# Altium PCB CONTROLLER_BASE.PcbDoc (part 2 of 7)
Units mm, origin at the board's own origin, x right, y up, seen from the top; angles counter-clockwise.
Board outline 258 x 160 mm, 4 copper layers (Top Layer, Internal Plane 1, Internal Plane 2, Bottom Layer); 818 components, 410 nets, 2314 pads, 511 vias.
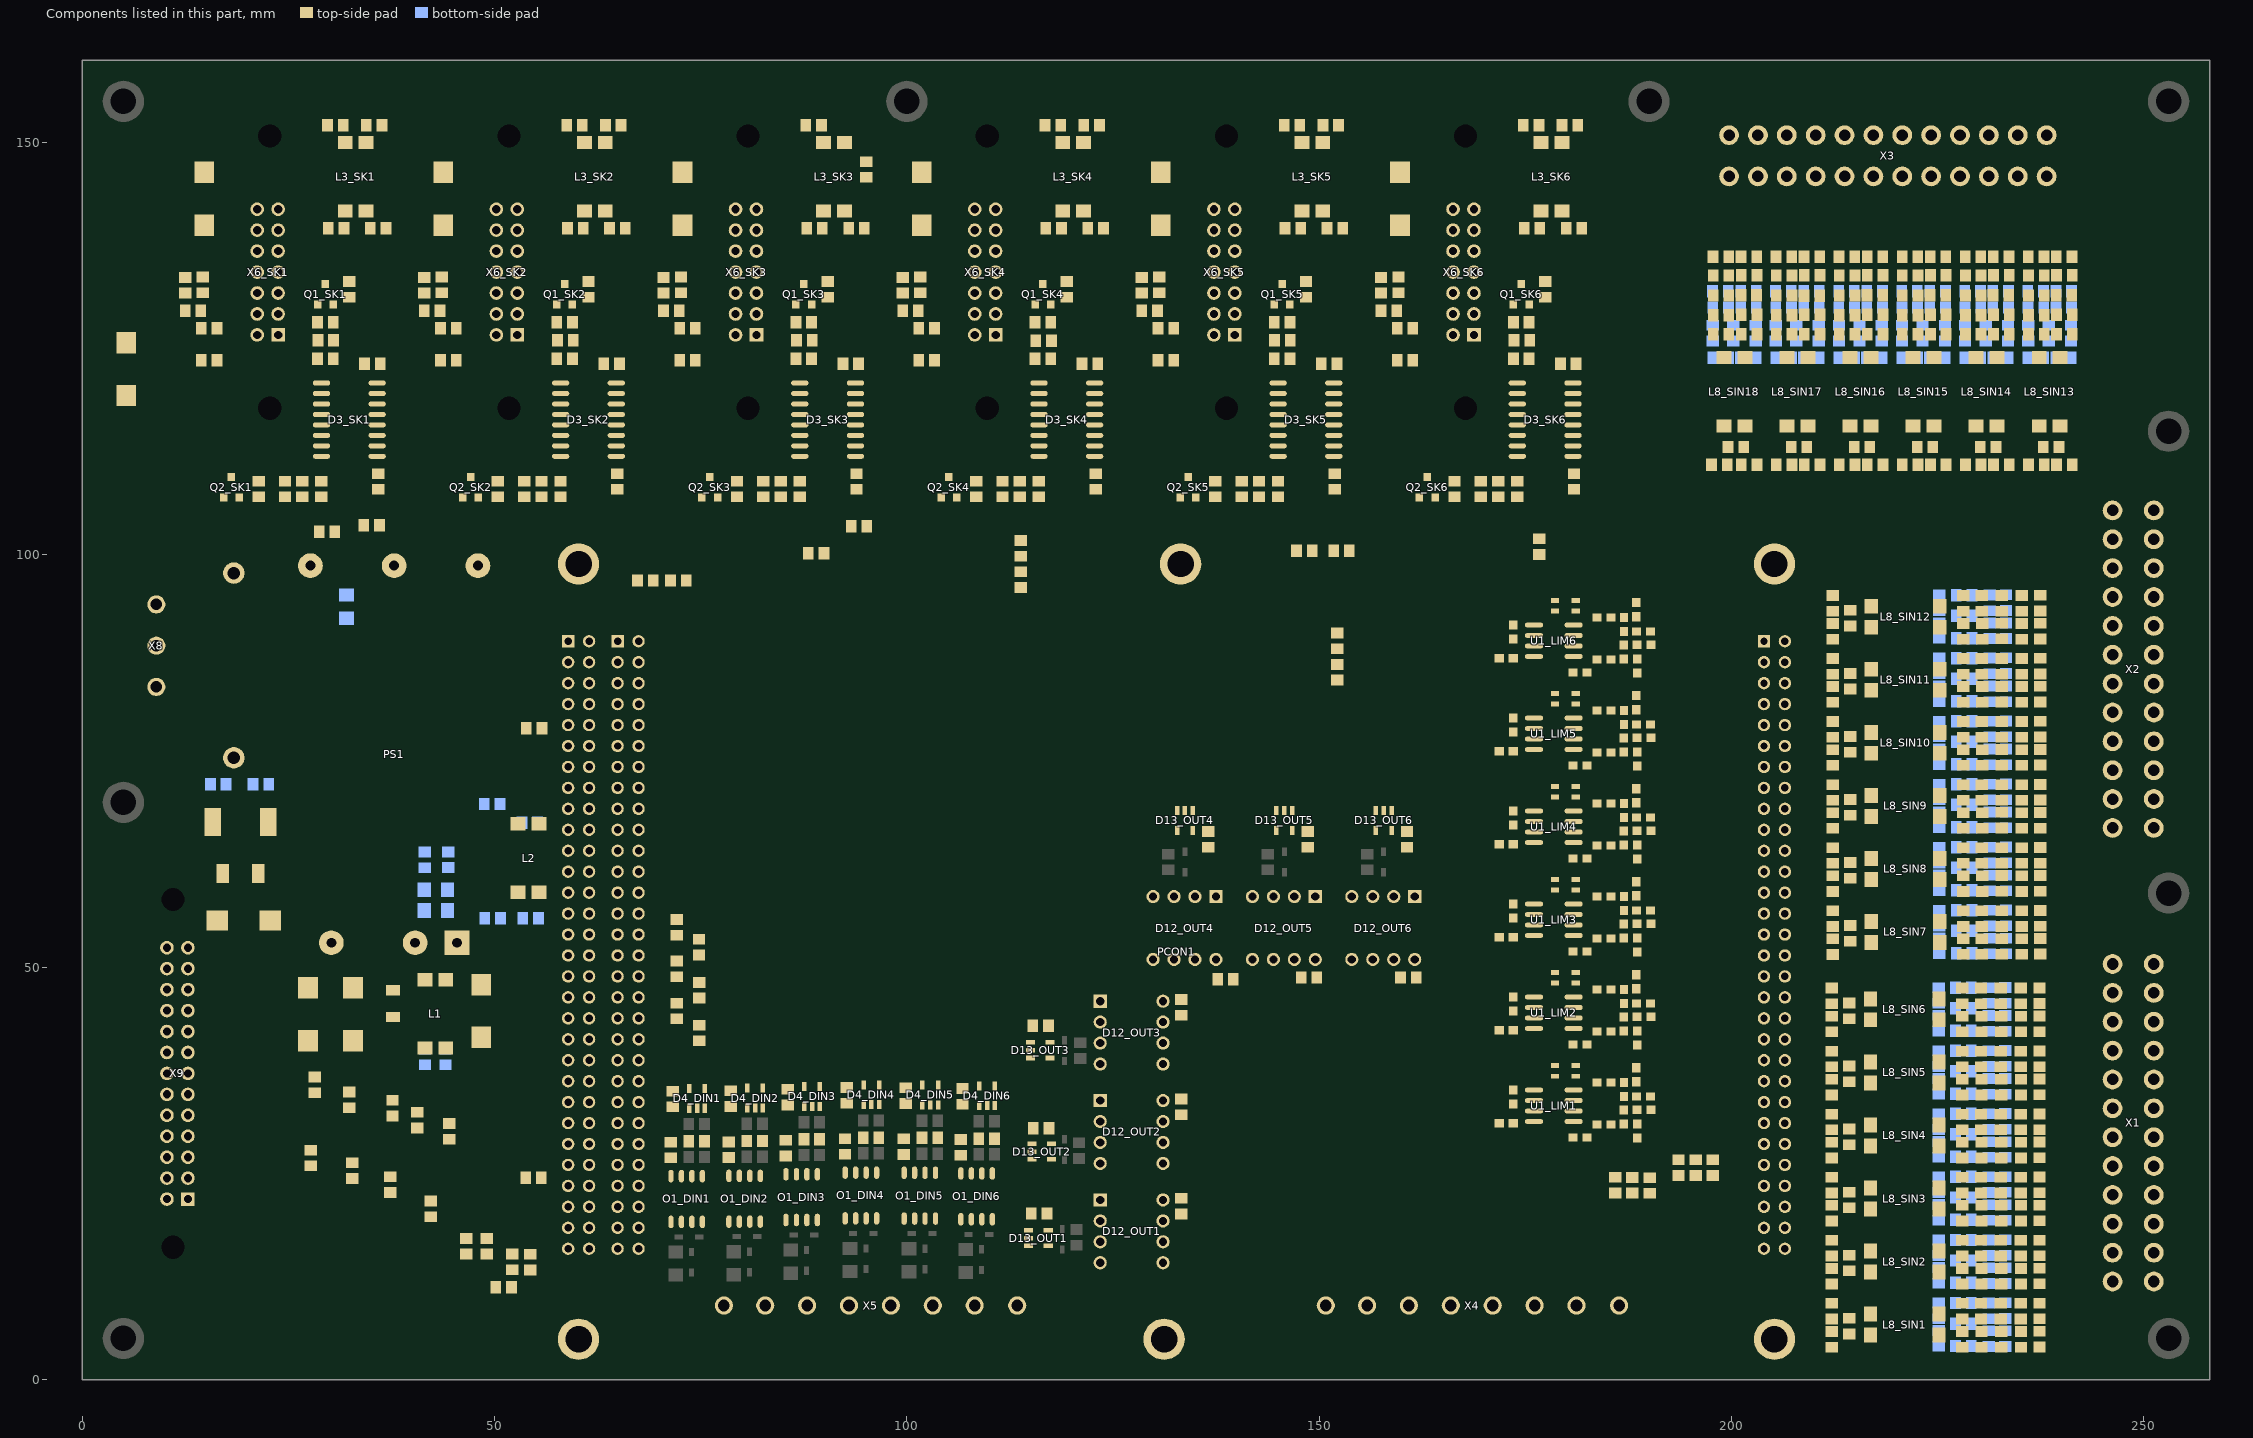
[diagram p4: the components of this part, seen from the top]

## Classes and differential pairs (continued)
component class CB103060Main: C1 C2 C3 C4 C5 C6 C7 C8 C9 C10 C11 C12 C13 C14 C15 C16 C17 C18 C50 C51 D1 D2 F1 FH1 L1 L2 PCON1 PS1 R1 R2 R3 R4 R5 R6 R7 R8 R9 R10 R11 R12 R13 R14 R15 R16 R17 R18 R19 R20 R21 R22 R23 R24 R25 R26 R27 R28 R29 R30 R31 R59 R60 R61 R62 R63 R64 R65 R66 X1 X2 X3 X4 X5 X8 X9
component class SIN18: C31_SIN18 C32_SIN18 C33_SIN18 C34_SIN18 C35_SIN18 C36_SIN18 C37_SIN18 C38_SIN18 C45_SIN18 C46_SIN18 L4_SIN18 L5_SIN18 L6_SIN18 L7_SIN18 L8_SIN18 R40_SIN18 R41_SIN18 R42_SIN18 R43_SIN18 R44_SIN18 R45_SIN18 R46_SIN18 R47_SIN18
component class SIN17: C31_SIN17 C32_SIN17 C33_SIN17 C34_SIN17 C35_SIN17 C36_SIN17 C37_SIN17 C38_SIN17 C45_SIN17 C46_SIN17 L4_SIN17 L5_SIN17 L6_SIN17 L7_SIN17 L8_SIN17 R40_SIN17 R41_SIN17 R42_SIN17 R43_SIN17 R44_SIN17 R45_SIN17 R46_SIN17 R47_SIN17
channel class CurrentInput: SIN1 SIN2 SIN3 SIN4 SIN5 SIN6 SIN7 SIN8 SIN9 SIN10 SIN11 SIN12 SIN13 SIN14 SIN15 SIN16 SIN17 SIN18
component class SIN16: C31_SIN16 C32_SIN16 C33_SIN16 C34_SIN16 C35_SIN16 C36_SIN16 C37_SIN16 C38_SIN16 C45_SIN16 C46_SIN16 L4_SIN16 L5_SIN16 L6_SIN16 L7_SIN16 L8_SIN16 R40_SIN16 R41_SIN16 R42_SIN16 R43_SIN16 R44_SIN16 R45_SIN16 R46_SIN16 R47_SIN16
component class SIN15: C31_SIN15 C32_SIN15 C33_SIN15 C34_SIN15 C35_SIN15 C36_SIN15 C37_SIN15 C38_SIN15 C45_SIN15 C46_SIN15 L4_SIN15 L5_SIN15 L6_SIN15 L7_SIN15 L8_SIN15 R40_SIN15 R41_SIN15 R42_SIN15 R43_SIN15 R44_SIN15 R45_SIN15 R46_SIN15 R47_SIN15
component class SIN14: C31_SIN14 C32_SIN14 C33_SIN14 C34_SIN14 C35_SIN14 C36_SIN14 C37_SIN14 C38_SIN14 C45_SIN14 C46_SIN14 L4_SIN14 L5_SIN14 L6_SIN14 L7_SIN14 L8_SIN14 R40_SIN14 R41_SIN14 R42_SIN14 R43_SIN14 R44_SIN14 R45_SIN14 R46_SIN14 R47_SIN14
component class SIN13: C31_SIN13 C32_SIN13 C33_SIN13 C34_SIN13 C35_SIN13 C36_SIN13 C37_SIN13 C38_SIN13 C45_SIN13 C46_SIN13 L4_SIN13 L5_SIN13 L6_SIN13 L7_SIN13 L8_SIN13 R40_SIN13 R41_SIN13 R42_SIN13 R43_SIN13 R44_SIN13 R45_SIN13 R46_SIN13 R47_SIN13
component class SIN12: C31_SIN12 C32_SIN12 C33_SIN12 C34_SIN12 C35_SIN12 C36_SIN12 C37_SIN12 C38_SIN12 C45_SIN12 C46_SIN12 L4_SIN12 L5_SIN12 L6_SIN12 L7_SIN12 L8_SIN12 R40_SIN12 R41_SIN12 R42_SIN12 R43_SIN12 R44_SIN12 R45_SIN12 R46_SIN12 R47_SIN12
component class SIN11: C31_SIN11 C32_SIN11 C33_SIN11 C34_SIN11 C35_SIN11 C36_SIN11 C37_SIN11 C38_SIN11 C45_SIN11 C46_SIN11 L4_SIN11 L5_SIN11 L6_SIN11 L7_SIN11 L8_SIN11 R40_SIN11 R41_SIN11 R42_SIN11 R43_SIN11 R44_SIN11 R45_SIN11 R46_SIN11 R47_SIN11
component class SIN10: C31_SIN10 C32_SIN10 C33_SIN10 C34_SIN10 C35_SIN10 C36_SIN10 C37_SIN10 C38_SIN10 C45_SIN10 C46_SIN10 L4_SIN10 L5_SIN10 L6_SIN10 L7_SIN10 L8_SIN10 R40_SIN10 R41_SIN10 R42_SIN10 R43_SIN10 R44_SIN10 R45_SIN10 R46_SIN10 R47_SIN10
component class SIN9: C31_SIN9 C32_SIN9 C33_SIN9 C34_SIN9 C35_SIN9 C36_SIN9 C37_SIN9 C38_SIN9 C45_SIN9 C46_SIN9 L4_SIN9 L5_SIN9 L6_SIN9 L7_SIN9 L8_SIN9 R40_SIN9 R41_SIN9 R42_SIN9 R43_SIN9 R44_SIN9 R45_SIN9 R46_SIN9 R47_SIN9
component class SIN8: C31_SIN8 C32_SIN8 C33_SIN8 C34_SIN8 C35_SIN8 C36_SIN8 C37_SIN8 C38_SIN8 C45_SIN8 C46_SIN8 L4_SIN8 L5_SIN8 L6_SIN8 L7_SIN8 L8_SIN8 R40_SIN8 R41_SIN8 R42_SIN8 R43_SIN8 R44_SIN8 R45_SIN8 R46_SIN8 R47_SIN8
component class SIN7: C31_SIN7 C32_SIN7 C33_SIN7 C34_SIN7 C35_SIN7 C36_SIN7 C37_SIN7 C38_SIN7 C45_SIN7 C46_SIN7 L4_SIN7 L5_SIN7 L6_SIN7 L7_SIN7 L8_SIN7 R40_SIN7 R41_SIN7 R42_SIN7 R43_SIN7 R44_SIN7 R45_SIN7 R46_SIN7 R47_SIN7
component class SIN6: C31_SIN6 C32_SIN6 C33_SIN6 C34_SIN6 C35_SIN6 C36_SIN6 C37_SIN6 C38_SIN6 C45_SIN6 C46_SIN6 L4_SIN6 L5_SIN6 L6_SIN6 L7_SIN6 L8_SIN6 R40_SIN6 R41_SIN6 R42_SIN6 R43_SIN6 R44_SIN6 R45_SIN6 R46_SIN6 R47_SIN6
component class SIN5: C31_SIN5 C32_SIN5 C33_SIN5 C34_SIN5 C35_SIN5 C36_SIN5 C37_SIN5 C38_SIN5 C45_SIN5 C46_SIN5 L4_SIN5 L5_SIN5 L6_SIN5 L7_SIN5 L8_SIN5 R40_SIN5 R41_SIN5 R42_SIN5 R43_SIN5 R44_SIN5 R45_SIN5 R46_SIN5 R47_SIN5
component class SIN4: C31_SIN4 C32_SIN4 C33_SIN4 C34_SIN4 C35_SIN4 C36_SIN4 C37_SIN4 C38_SIN4 C45_SIN4 C46_SIN4 L4_SIN4 L5_SIN4 L6_SIN4 L7_SIN4 L8_SIN4 R40_SIN4 R41_SIN4 R42_SIN4 R43_SIN4 R44_SIN4 R45_SIN4 R46_SIN4 R47_SIN4
component class SIN3: C31_SIN3 C32_SIN3 C33_SIN3 C34_SIN3 C35_SIN3 C36_SIN3 C37_SIN3 C38_SIN3 C45_SIN3 C46_SIN3 L4_SIN3 L5_SIN3 L6_SIN3 L7_SIN3 L8_SIN3 R40_SIN3 R41_SIN3 R42_SIN3 R43_SIN3 R44_SIN3 R45_SIN3 R46_SIN3 R47_SIN3
component class SIN2: C31_SIN2 C32_SIN2 C33_SIN2 C34_SIN2 C35_SIN2 C36_SIN2 C37_SIN2 C38_SIN2 C45_SIN2 C46_SIN2 L4_SIN2 L5_SIN2 L6_SIN2 L7_SIN2 L8_SIN2 R40_SIN2 R41_SIN2 R42_SIN2 R43_SIN2 R44_SIN2 R45_SIN2 R46_SIN2 R47_SIN2
component class SIN1: C31_SIN1 C32_SIN1 C33_SIN1 C34_SIN1 C35_SIN1 C36_SIN1 C37_SIN1 C38_SIN1 C45_SIN1 C46_SIN1 L4_SIN1 L5_SIN1 L6_SIN1 L7_SIN1 L8_SIN1 R40_SIN1 R41_SIN1 R42_SIN1 R43_SIN1 R44_SIN1 R45_SIN1 R46_SIN1 R47_SIN1
component class SK1: C19_SK1 C20_SK1 C21_SK1 C22_SK1 C23_SK1 C24_SK1 C25_SK1 C26_SK1 C27_SK1 C28_SK1 C29_SK1 C30_SK1 D3_SK1 L3_SK1 Q1_SK1 Q2_SK1 R32_SK1 R33_SK1 R34_SK1 R35_SK1 R36_SK1 R37_SK1 R38_SK1 R39_SK1 X6_SK1
component class SK2: C19_SK2 C20_SK2 C21_SK2 C22_SK2 C23_SK2 C24_SK2 C25_SK2 C26_SK2 C27_SK2 C28_SK2 C29_SK2 C30_SK2 D3_SK2 L3_SK2 Q1_SK2 Q2_SK2 R32_SK2 R33_SK2 R34_SK2 R35_SK2 R36_SK2 R37_SK2 R38_SK2 R39_SK2 X6_SK2
component class SK3: C19_SK3 C20_SK3 C21_SK3 C22_SK3 C23_SK3 C24_SK3 C25_SK3 C26_SK3 C27_SK3 C28_SK3 C29_SK3 C30_SK3 D3_SK3 L3_SK3 Q1_SK3 Q2_SK3 R32_SK3 R33_SK3 R34_SK3 R35_SK3 R36_SK3 R37_SK3 R38_SK3 R39_SK3 X6_SK3
component class SK4: C19_SK4 C20_SK4 C21_SK4 C22_SK4 C23_SK4 C24_SK4 C25_SK4 C26_SK4 C27_SK4 C28_SK4 C29_SK4 C30_SK4 D3_SK4 L3_SK4 Q1_SK4 Q2_SK4 R32_SK4 R33_SK4 R34_SK4 R35_SK4 R36_SK4 R37_SK4 R38_SK4 R39_SK4 X6_SK4
component class SK5: C19_SK5 C20_SK5 C21_SK5 C22_SK5 C23_SK5 C24_SK5 C25_SK5 C26_SK5 C27_SK5 C28_SK5 C29_SK5 C30_SK5 D3_SK5 L3_SK5 Q1_SK5 Q2_SK5 R32_SK5 R33_SK5 R34_SK5 R35_SK5 R36_SK5 R37_SK5 R38_SK5 R39_SK5 X6_SK5
component class SK6: C19_SK6 C20_SK6 C21_SK6 C22_SK6 C23_SK6 C24_SK6 C25_SK6 C26_SK6 C27_SK6 C28_SK6 C29_SK6 C30_SK6 D3_SK6 L3_SK6 Q1_SK6 Q2_SK6 R32_SK6 R33_SK6 R34_SK6 R35_SK6 R36_SK6 R37_SK6 R38_SK6 R39_SK6 X6_SK6
channel class Skyper32UnisolatedIF: SK1 SK2 SK3 SK4 SK5 SK6
component class LIM1: C41_LIM1 C42_LIM1 C43_LIM1 C44_LIM1 R48_LIM1 R50_LIM1 R51_LIM1 R52_LIM1 R53_LIM1 R54_LIM1 R55_LIM1 U1_LIM1 VD1_LIM1 VD2_LIM1
component class LIM2: C41_LIM2 C42_LIM2 C43_LIM2 C44_LIM2 R48_LIM2 R50_LIM2 R51_LIM2 R52_LIM2 R53_LIM2 R54_LIM2 R55_LIM2 U1_LIM2 VD1_LIM2 VD2_LIM2
component class LIM3: C41_LIM3 C42_LIM3 C43_LIM3 C44_LIM3 R48_LIM3 R50_LIM3 R51_LIM3 R52_LIM3 R53_LIM3 R54_LIM3 R55_LIM3 U1_LIM3 VD1_LIM3 VD2_LIM3
component class LIM4: C41_LIM4 C42_LIM4 C43_LIM4 C44_LIM4 R48_LIM4 R50_LIM4 R51_LIM4 R52_LIM4 R53_LIM4 R54_LIM4 R55_LIM4 U1_LIM4 VD1_LIM4 VD2_LIM4
component class LIM5: C41_LIM5 C42_LIM5 C43_LIM5 C44_LIM5 R48_LIM5 R50_LIM5 R51_LIM5 R52_LIM5 R53_LIM5 R54_LIM5 R55_LIM5 U1_LIM5 VD1_LIM5 VD2_LIM5
component class LIM6: C41_LIM6 C42_LIM6 C43_LIM6 C44_LIM6 R48_LIM6 R50_LIM6 R51_LIM6 R52_LIM6 R53_LIM6 R54_LIM6 R55_LIM6 U1_LIM6 VD1_LIM6 VD2_LIM6
channel class SignalLimitDetector: LIM1 LIM2 LIM3 LIM4 LIM5 LIM6

## Components (designator, comment, footprint, x,y, rotation, side; value= is the part's Value field where it differs from the comment)
C1 "Tant Cap D-case" D 19.602,55.667 r180 top
C2 "Tant Cap D-case" D 27.391,44.302 r270 top
C3 "Tant Cap D-case" D 32.849,44.302 r270 top
C4 "Tant Cap D-case" D 48.4,44.7 r270 top
C5 "Tant Cap D-case" D 5.359,122.53 r90 top
C6 "ChipCap" "SMD CAP 0805" 44.069,39.141 r90 bottom
C7 "ChipCap" "SMD CAP 0805" 44.374,63.043 r270 bottom
C8 "ChipCap" "SMD CAP 1206" 42.892,59.406 r0 bottom
C9 "ChipCap" "SMD CAP 1206" 42.892,56.895 r0 bottom
C10 "ChipCap" "SMD CAP 0805" 21.666,72.187 r180 bottom
C11 "ChipCap" "SMD CAP 1206" 32.055,93.726 r270 bottom
C12 "ChipCap" "SMD CAP 0805" 41.58,39.141 r270 bottom
C13 "ChipCap" "SMD CAP 0805" 41.554,63.017 r90 bottom
C14 "ChipCap" "SMD CAP 0805" 16.51,72.187 r180 bottom
C15 "ChipCap" "SMD CAP 0805" 54.381,55.931 r0 bottom
C16 "ChipCap" "SMD CAP 0805" 54.28,67.513 r0 bottom
C17 "ChipCap" "SMD CAP 0805" 49.784,55.931 r0 bottom
C18 "ChipCap" "SMD CAP 0805" 49.708,69.799 r180 bottom
C19_SK1 "Tant Cap D-case" D 14.8,143.2 r90 top (schematic designator C19)
C19_SK2 "Tant Cap D-case" D 43.8,143.2 r90 top (schematic designator C19)
C19_SK3 "Tant Cap D-case" D 72.8,143.2 r90 top (schematic designator C19)
C19_SK4 "Tant Cap D-case" D 101.8,143.2 r90 top (schematic designator C19)
C19_SK5 "Tant Cap D-case" D 130.8,143.2 r90 top (schematic designator C19)
C19_SK6 "Tant Cap D-case" D 159.8,143.2 r90 top (schematic designator C19)
C20_SK1 "ChipCap" "SMD CAP 0805" 30.7,152.1 r0 top (schematic designator C20)
C20_SK2 "ChipCap" "SMD CAP 0805" 59.7,152.1 r0 top (schematic designator C20)
C20_SK3 "ChipCap" "SMD CAP 0805" 88.7,152.1 r0 top (schematic designator C20)
C20_SK4 "ChipCap" "SMD CAP 0805" 117.7,152.1 r0 top (schematic designator C20)
C20_SK5 "ChipCap" "SMD CAP 0805" 146.7,152.1 r0 top (schematic designator C20)
C20_SK6 "ChipCap" "SMD CAP 0805" 175.7,152.1 r0 top (schematic designator C20)
C21_SK1 "ChipCap" "SMD CAP 0805" 30.8,139.6 r0 top (schematic designator C21)
C21_SK2 "ChipCap" "SMD CAP 0805" 59.8,139.6 r0 top (schematic designator C21)
C21_SK3 "ChipCap" "SMD CAP 0805" 88.8,139.6 r0 top (schematic designator C21)
C21_SK4 "ChipCap" "SMD CAP 0805" 117.8,139.6 r0 top (schematic designator C21)
C21_SK5 "ChipCap" "SMD CAP 0805" 146.8,139.6 r0 top (schematic designator C21)
C21_SK6 "ChipCap" "SMD CAP 0805" 175.8,139.6 r0 top (schematic designator C21)
C22_SK1 "ChipCap" "SMD CAP 0805" 35.4,152.1 r0 top (schematic designator C22)
C22_SK2 "ChipCap" "SMD CAP 0805" 64.4,152.1 r0 top (schematic designator C22)
C22_SK3 "ChipCap" "SMD CAP 0805" 95.072,146.736 r270 top (schematic designator C22)
C22_SK4 "ChipCap" "SMD CAP 0805" 122.4,152.1 r0 top (schematic designator C22)
C22_SK5 "ChipCap" "SMD CAP 0805" 151.4,152.1 r0 top (schematic designator C22)
C22_SK6 "ChipCap" "SMD CAP 0805" 180.4,152.1 r0 top (schematic designator C22)
C23_SK1 "ChipCap" "SMD CAP 0805" 35.9,139.6 r0 top (schematic designator C23)
C23_SK2 "ChipCap" "SMD CAP 0805" 64.9,139.6 r0 top (schematic designator C23)
C23_SK3 "ChipCap" "SMD CAP 0805" 93.9,139.6 r0 top (schematic designator C23)
C23_SK4 "ChipCap" "SMD CAP 0805" 122.9,139.6 r0 top (schematic designator C23)
C23_SK5 "ChipCap" "SMD CAP 0805" 151.9,139.6 r0 top (schematic designator C23)
C23_SK6 "ChipCap" "SMD CAP 0805" 180.9,139.6 r0 top (schematic designator C23)
C24_SK1 "ChipCap" "SMD CAP 0805" 26.7,108 r90 top (schematic designator C24)
C24_SK2 "ChipCap" "SMD CAP 0805" 55.7,108 r90 top (schematic designator C24)
C24_SK3 "ChipCap" "SMD CAP 0805" 84.7,108 r90 top (schematic designator C24)
C24_SK4 "ChipCap" "SMD CAP 0805" 113.7,108 r90 top (schematic designator C24)
C24_SK5 "ChipCap" "SMD CAP 0805" 142.7,108 r90 top (schematic designator C24)
C24_SK6 "ChipCap" "SMD CAP 0805" 171.7,108 r90 top (schematic designator C24)
C25_SK1 "ChipCap" "SMD CAP 0805" 35.2,123.2 r0 top (schematic designator C25)
C25_SK2 "ChipCap" "SMD CAP 0805" 64.2,123.2 r0 top (schematic designator C25)
C25_SK3 "ChipCap" "SMD CAP 0805" 93.2,123.2 r0 top (schematic designator C25)
C25_SK4 "ChipCap" "SMD CAP 0805" 122.2,123.2 r0 top (schematic designator C25)
C25_SK5 "ChipCap" "SMD CAP 0805" 151.2,123.2 r0 top (schematic designator C25)
C25_SK6 "ChipCap" "SMD CAP 0805" 180.2,123.2 r0 top (schematic designator C25)
C26_SK1 "ChipCap" "SMD CAP 0805" 14.61,132.75 r270 top (schematic designator C26)
C26_SK2 "ChipCap" "SMD CAP 0805" 43.61,132.75 r270 top (schematic designator C26)
C26_SK3 "ChipCap" "SMD CAP 0805" 72.61,132.75 r270 top (schematic designator C26)
C26_SK4 "ChipCap" "SMD CAP 0805" 101.61,132.75 r270 top (schematic designator C26)
C26_SK5 "ChipCap" "SMD CAP 0805" 130.61,132.75 r270 top (schematic designator C26)
C26_SK6 "ChipCap" "SMD CAP 0805" 159.61,132.75 r270 top (schematic designator C26)
C27_SK1 "ChipCap" "SMD CAP 0805" 29.5,128.2 r180 top (schematic designator C27)
C27_SK2 "ChipCap" "SMD CAP 0805" 58.5,128.2 r180 top (schematic designator C27)
C27_SK3 "ChipCap" "SMD CAP 0805" 87.5,128.2 r180 top (schematic designator C27)
C27_SK4 "ChipCap" "SMD CAP 0805" 116.5,128.2 r180 top (schematic designator C27)
C27_SK5 "ChipCap" "SMD CAP 0805" 145.5,128.2 r180 top (schematic designator C27)
C27_SK6 "ChipCap" "SMD CAP 0805" 174.5,128.2 r180 top (schematic designator C27)
C28_SK1 "ChipCap" "SMD CAP 0805" 35.9,108.9 r90 top (schematic designator C28)
C28_SK2 "ChipCap" "SMD CAP 0805" 64.9,108.9 r90 top (schematic designator C28)
C28_SK3 "ChipCap" "SMD CAP 0805" 93.9,108.9 r90 top (schematic designator C28)
C28_SK4 "ChipCap" "SMD CAP 0805" 122.9,108.9 r90 top (schematic designator C28)
C28_SK5 "ChipCap" "SMD CAP 0805" 151.9,108.9 r90 top (schematic designator C28)
C28_SK6 "ChipCap" "SMD CAP 0805" 180.9,108.9 r90 top (schematic designator C28)
C29_SK1 "ChipCap" "SMD CAP 0805" 21.4,108 r90 top (schematic designator C29)
C29_SK2 "ChipCap" "SMD CAP 0805" 50.4,108 r90 top (schematic designator C29)
C29_SK3 "ChipCap" "SMD CAP 0805" 79.4,108 r90 top (schematic designator C29)
C29_SK4 "ChipCap" "SMD CAP 0805" 108.4,108 r90 top (schematic designator C29)
C29_SK5 "ChipCap" "SMD CAP 0805" 137.4,108 r90 top (schematic designator C29)
C29_SK6 "ChipCap" "SMD CAP 0805" 166.4,108 r90 top (schematic designator C29)
C30_SK1 "ChipCap" "SMD CAP 0805" 15.4,123.6 r180 top (schematic designator C30)
C30_SK2 "ChipCap" "SMD CAP 0805" 44.4,123.6 r180 top (schematic designator C30)
C30_SK3 "ChipCap" "SMD CAP 0805" 73.4,123.6 r180 top (schematic designator C30)
C30_SK4 "ChipCap" "SMD CAP 0805" 102.4,123.6 r180 top (schematic designator C30)
C30_SK5 "ChipCap" "SMD CAP 0805" 131.4,123.6 r180 top (schematic designator C30)
C30_SK6 "ChipCap" "SMD CAP 0805" 160.4,123.6 r180 top (schematic designator C30)
C31_SIN1 "ChipCap" "SMD CAP 0805" 231.2,4.973 r270 bottom (schematic designator C31)
C31_SIN2 "ChipCap" "SMD CAP 0805" 231.2,12.618 r270 bottom (schematic designator C31)
C31_SIN3 "ChipCap" "SMD CAP 0805" 231.2,20.264 r270 bottom (schematic designator C31)
C31_SIN4 "ChipCap" "SMD CAP 0805" 231.2,27.909 r270 bottom (schematic designator C31)
C31_SIN5 "ChipCap" "SMD CAP 0805" 231.2,35.554 r270 bottom (schematic designator C31)
C31_SIN6 "ChipCap" "SMD CAP 0805" 231.2,43.2 r270 bottom (schematic designator C31)
C31_SIN7 "ChipCap" "SMD CAP 0805" 231.299,52.582 r270 bottom (schematic designator C31)
C31_SIN8 "ChipCap" "SMD CAP 0805" 231.299,60.227 r270 bottom (schematic designator C31)
C31_SIN9 "ChipCap" "SMD CAP 0805" 231.299,67.873 r270 bottom (schematic designator C31)
C31_SIN10 "ChipCap" "SMD CAP 0805" 231.299,75.518 r270 bottom (schematic designator C31)
C31_SIN11 "ChipCap" "SMD CAP 0805" 231.299,83.164 r270 bottom (schematic designator C31)
C31_SIN12 "ChipCap" "SMD CAP 0805" 231.299,90.809 r270 bottom (schematic designator C31)
C31_SIN13 "ChipCap" "SMD CAP 0805" 240.277,130.001 r0 bottom (schematic designator C31)
C31_SIN14 "ChipCap" "SMD CAP 0805" 232.632,130.001 r0 bottom (schematic designator C31)
C31_SIN15 "ChipCap" "SMD CAP 0805" 224.986,130.001 r0 bottom (schematic designator C31)
C31_SIN16 "ChipCap" "SMD CAP 0805" 217.341,130.001 r0 bottom (schematic designator C31)
C31_SIN17 "ChipCap" "SMD CAP 0805" 209.696,130.001 r0 bottom (schematic designator C31)
C31_SIN18 "ChipCap" "SMD CAP 0805" 202.05,130.001 r0 bottom (schematic designator C31)
C32_SIN1 "ChipCap" "SMD CAP 0805" 225.104,4.998 r270 bottom (schematic designator C32)
C32_SIN2 "ChipCap" "SMD CAP 0805" 225.104,12.644 r270 bottom (schematic designator C32)
C32_SIN3 "ChipCap" "SMD CAP 0805" 225.104,20.289 r270 bottom (schematic designator C32)
C32_SIN4 "ChipCap" "SMD CAP 0805" 225.104,27.934 r270 bottom (schematic designator C32)
C32_SIN5 "ChipCap" "SMD CAP 0805" 225.104,35.58 r270 bottom (schematic designator C32)
C32_SIN6 "ChipCap" "SMD CAP 0805" 225.104,43.225 r270 bottom (schematic designator C32)
C32_SIN7 "ChipCap" "SMD CAP 0805" 225.203,52.607 r270 bottom (schematic designator C32)
C32_SIN8 "ChipCap" "SMD CAP 0805" 225.203,60.253 r270 bottom (schematic designator C32)
C32_SIN9 "ChipCap" "SMD CAP 0805" 225.203,67.898 r270 bottom (schematic designator C32)
C32_SIN10 "ChipCap" "SMD CAP 0805" 225.203,75.544 r270 bottom (schematic designator C32)
C32_SIN11 "ChipCap" "SMD CAP 0805" 225.203,83.189 r270 bottom (schematic designator C32)
C32_SIN12 "ChipCap" "SMD CAP 0805" 225.203,90.834 r270 bottom (schematic designator C32)
C32_SIN13 "ChipCap" "SMD CAP 0805" 240.252,123.905 r0 bottom (schematic designator C32)
C32_SIN14 "ChipCap" "SMD CAP 0805" 232.606,123.905 r0 bottom (schematic designator C32)
C32_SIN15 "ChipCap" "SMD CAP 0805" 224.961,123.905 r0 bottom (schematic designator C32)
C32_SIN16 "ChipCap" "SMD CAP 0805" 217.316,123.905 r0 bottom (schematic designator C32)
C32_SIN17 "ChipCap" "SMD CAP 0805" 209.67,123.905 r0 bottom (schematic designator C32)
C32_SIN18 "ChipCap" "SMD CAP 0805" 202.025,123.905 r0 bottom (schematic designator C32)
C33_SIN1 "ChipCap" "SMD CAP 0805" 233.181,4.973 r270 bottom (schematic designator C33)
C33_SIN2 "ChipCap" "SMD CAP 0805" 233.181,12.618 r270 bottom (schematic designator C33)
C33_SIN3 "ChipCap" "SMD CAP 0805" 233.181,20.264 r270 bottom (schematic designator C33)
C33_SIN4 "ChipCap" "SMD CAP 0805" 233.181,27.909 r270 bottom (schematic designator C33)
C33_SIN5 "ChipCap" "SMD CAP 0805" 233.181,35.554 r270 bottom (schematic designator C33)
C33_SIN6 "ChipCap" "SMD CAP 0805" 233.181,43.2 r270 bottom (schematic designator C33)
C33_SIN7 "ChipCap" "SMD CAP 0805" 233.28,52.582 r270 bottom (schematic designator C33)
C33_SIN8 "ChipCap" "SMD CAP 0805" 233.28,60.227 r270 bottom (schematic designator C33)
C33_SIN9 "ChipCap" "SMD CAP 0805" 233.28,67.873 r270 bottom (schematic designator C33)
C33_SIN10 "ChipCap" "SMD CAP 0805" 233.28,75.518 r270 bottom (schematic designator C33)
C33_SIN11 "ChipCap" "SMD CAP 0805" 233.28,83.164 r270 bottom (schematic designator C33)
C33_SIN12 "ChipCap" "SMD CAP 0805" 233.28,90.809 r270 bottom (schematic designator C33)
C33_SIN13 "ChipCap" "SMD CAP 0805" 240.277,131.982 r0 bottom (schematic designator C33)
C33_SIN14 "ChipCap" "SMD CAP 0805" 232.632,131.982 r0 bottom (schematic designator C33)
C33_SIN15 "ChipCap" "SMD CAP 0805" 224.986,131.982 r0 bottom (schematic designator C33)
C33_SIN16 "ChipCap" "SMD CAP 0805" 217.341,131.982 r0 bottom (schematic designator C33)
C33_SIN17 "ChipCap" "SMD CAP 0805" 209.696,131.982 r0 bottom (schematic designator C33)
C33_SIN18 "ChipCap" "SMD CAP 0805" 202.05,131.982 r0 bottom (schematic designator C33)
C34_SIN1 "ChipCap" "SMD CAP 0805" 225.104,8.351 r270 bottom (schematic designator C34)
C34_SIN2 "ChipCap" "SMD CAP 0805" 225.104,15.996 r270 bottom (schematic designator C34)
C34_SIN3 "ChipCap" "SMD CAP 0805" 225.104,23.642 r270 bottom (schematic designator C34)
C34_SIN4 "ChipCap" "SMD CAP 0805" 225.104,31.287 r270 bottom (schematic designator C34)
C34_SIN5 "ChipCap" "SMD CAP 0805" 225.104,38.933 r270 bottom (schematic designator C34)
C34_SIN6 "ChipCap" "SMD CAP 0805" 225.104,46.578 r270 bottom (schematic designator C34)
C34_SIN7 "ChipCap" "SMD CAP 0805" 225.203,55.96 r270 bottom (schematic designator C34)
C34_SIN8 "ChipCap" "SMD CAP 0805" 225.203,63.606 r270 bottom (schematic designator C34)
C34_SIN9 "ChipCap" "SMD CAP 0805" 225.203,71.251 r270 bottom (schematic designator C34)